# Altium PCB PCB.PcbDoc (part 1 of 4) (continued)
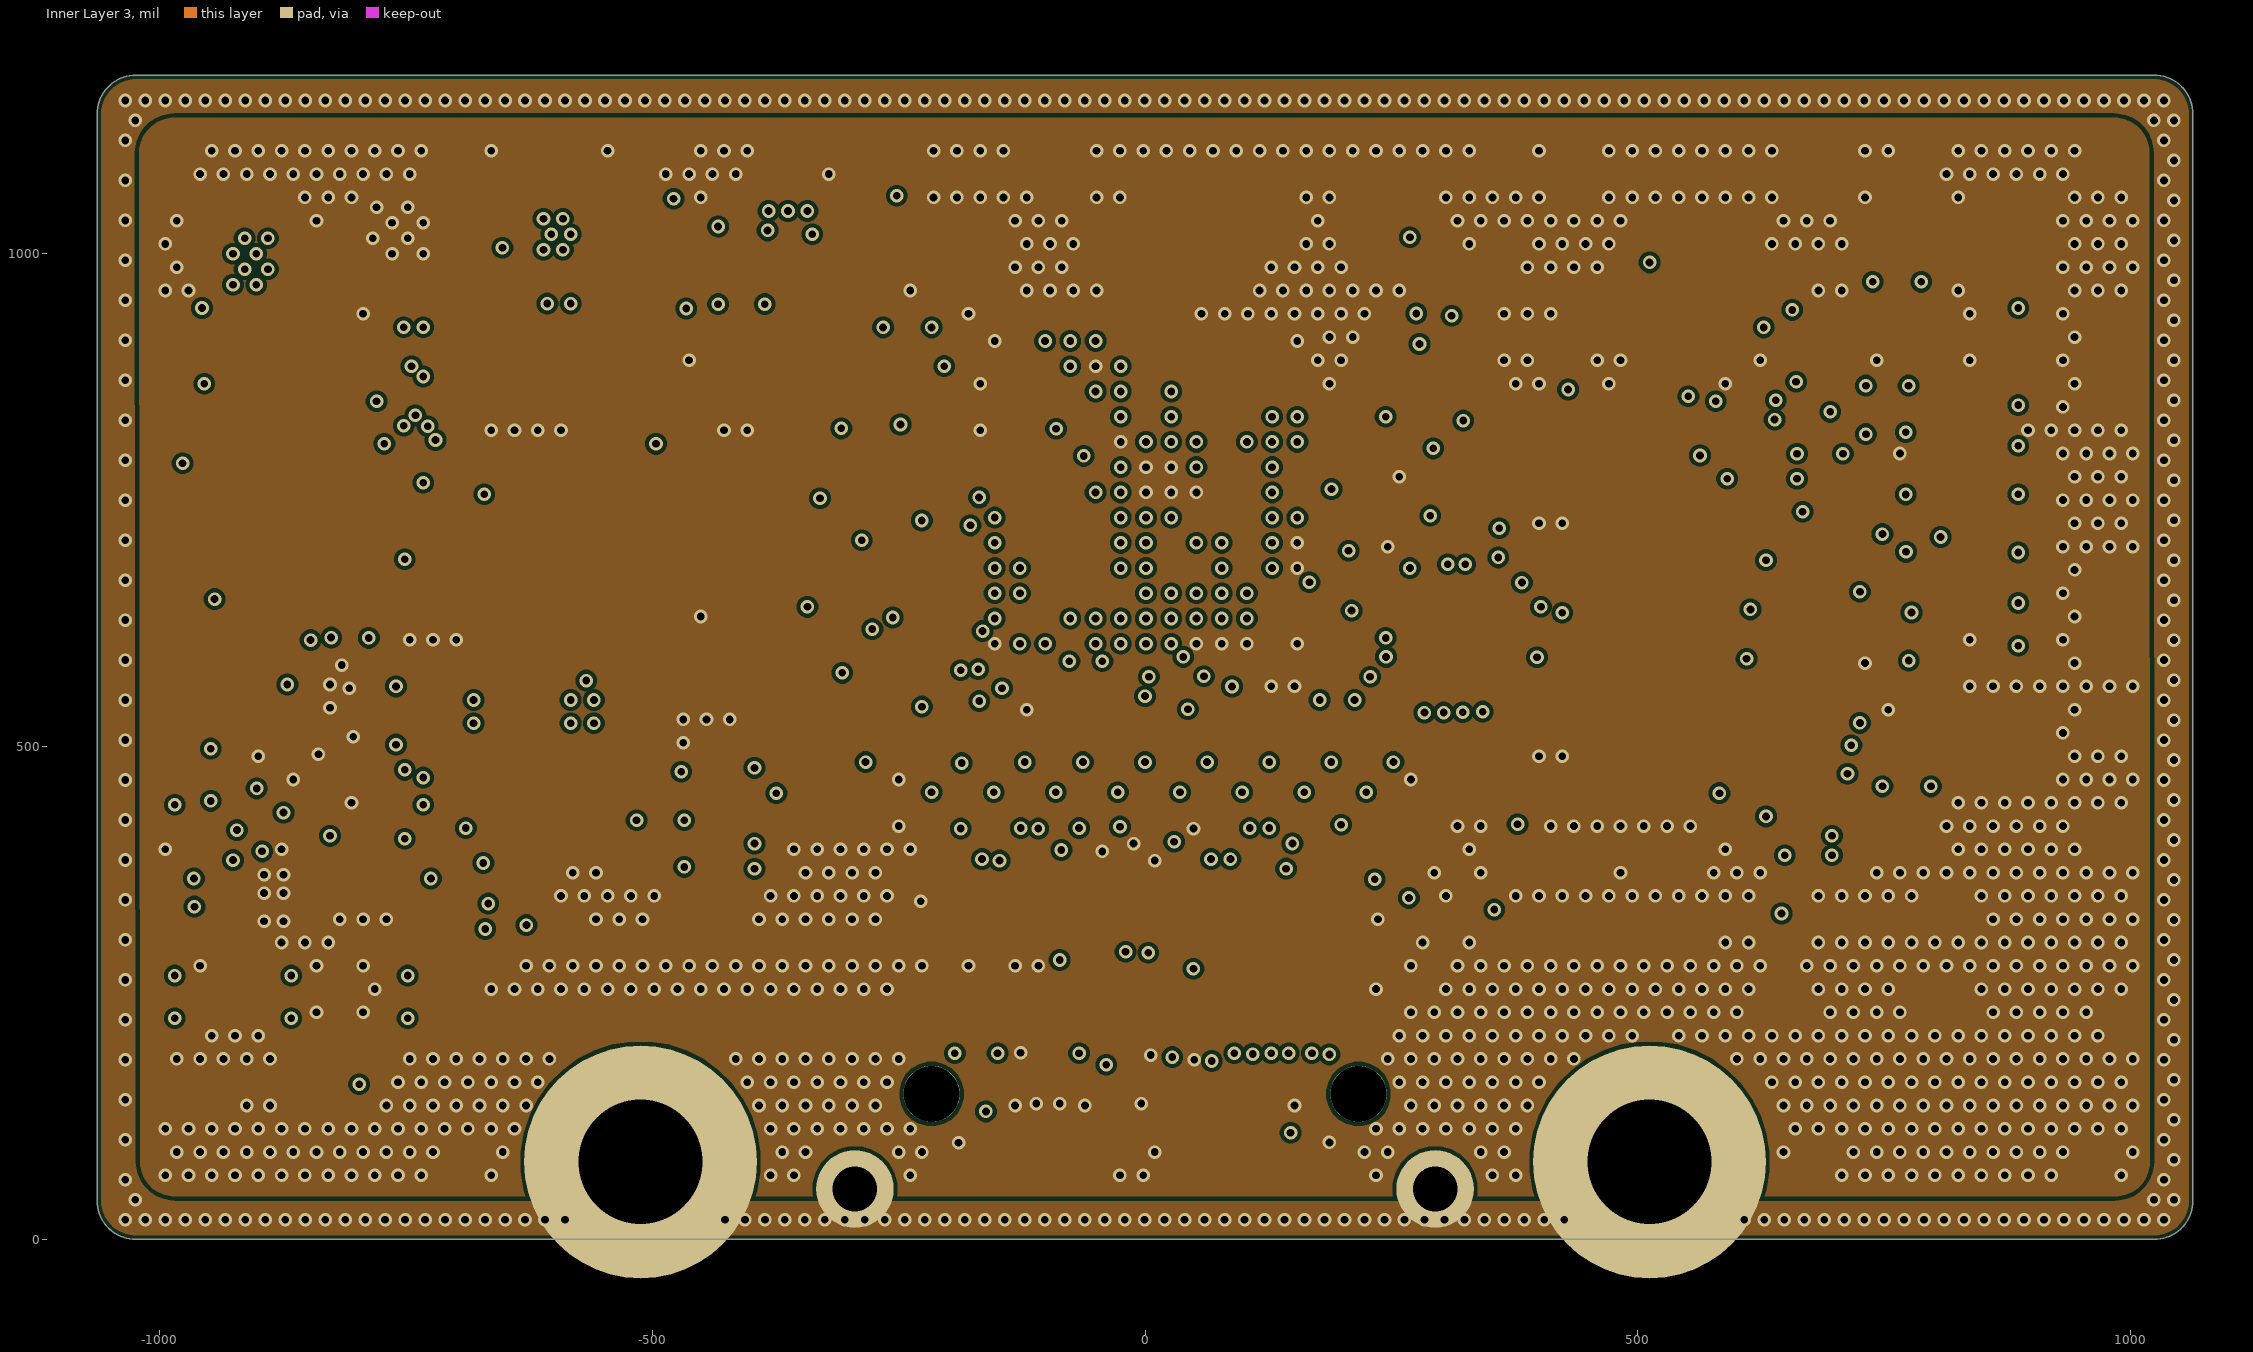
[diagram p4: Inner Layer 3]
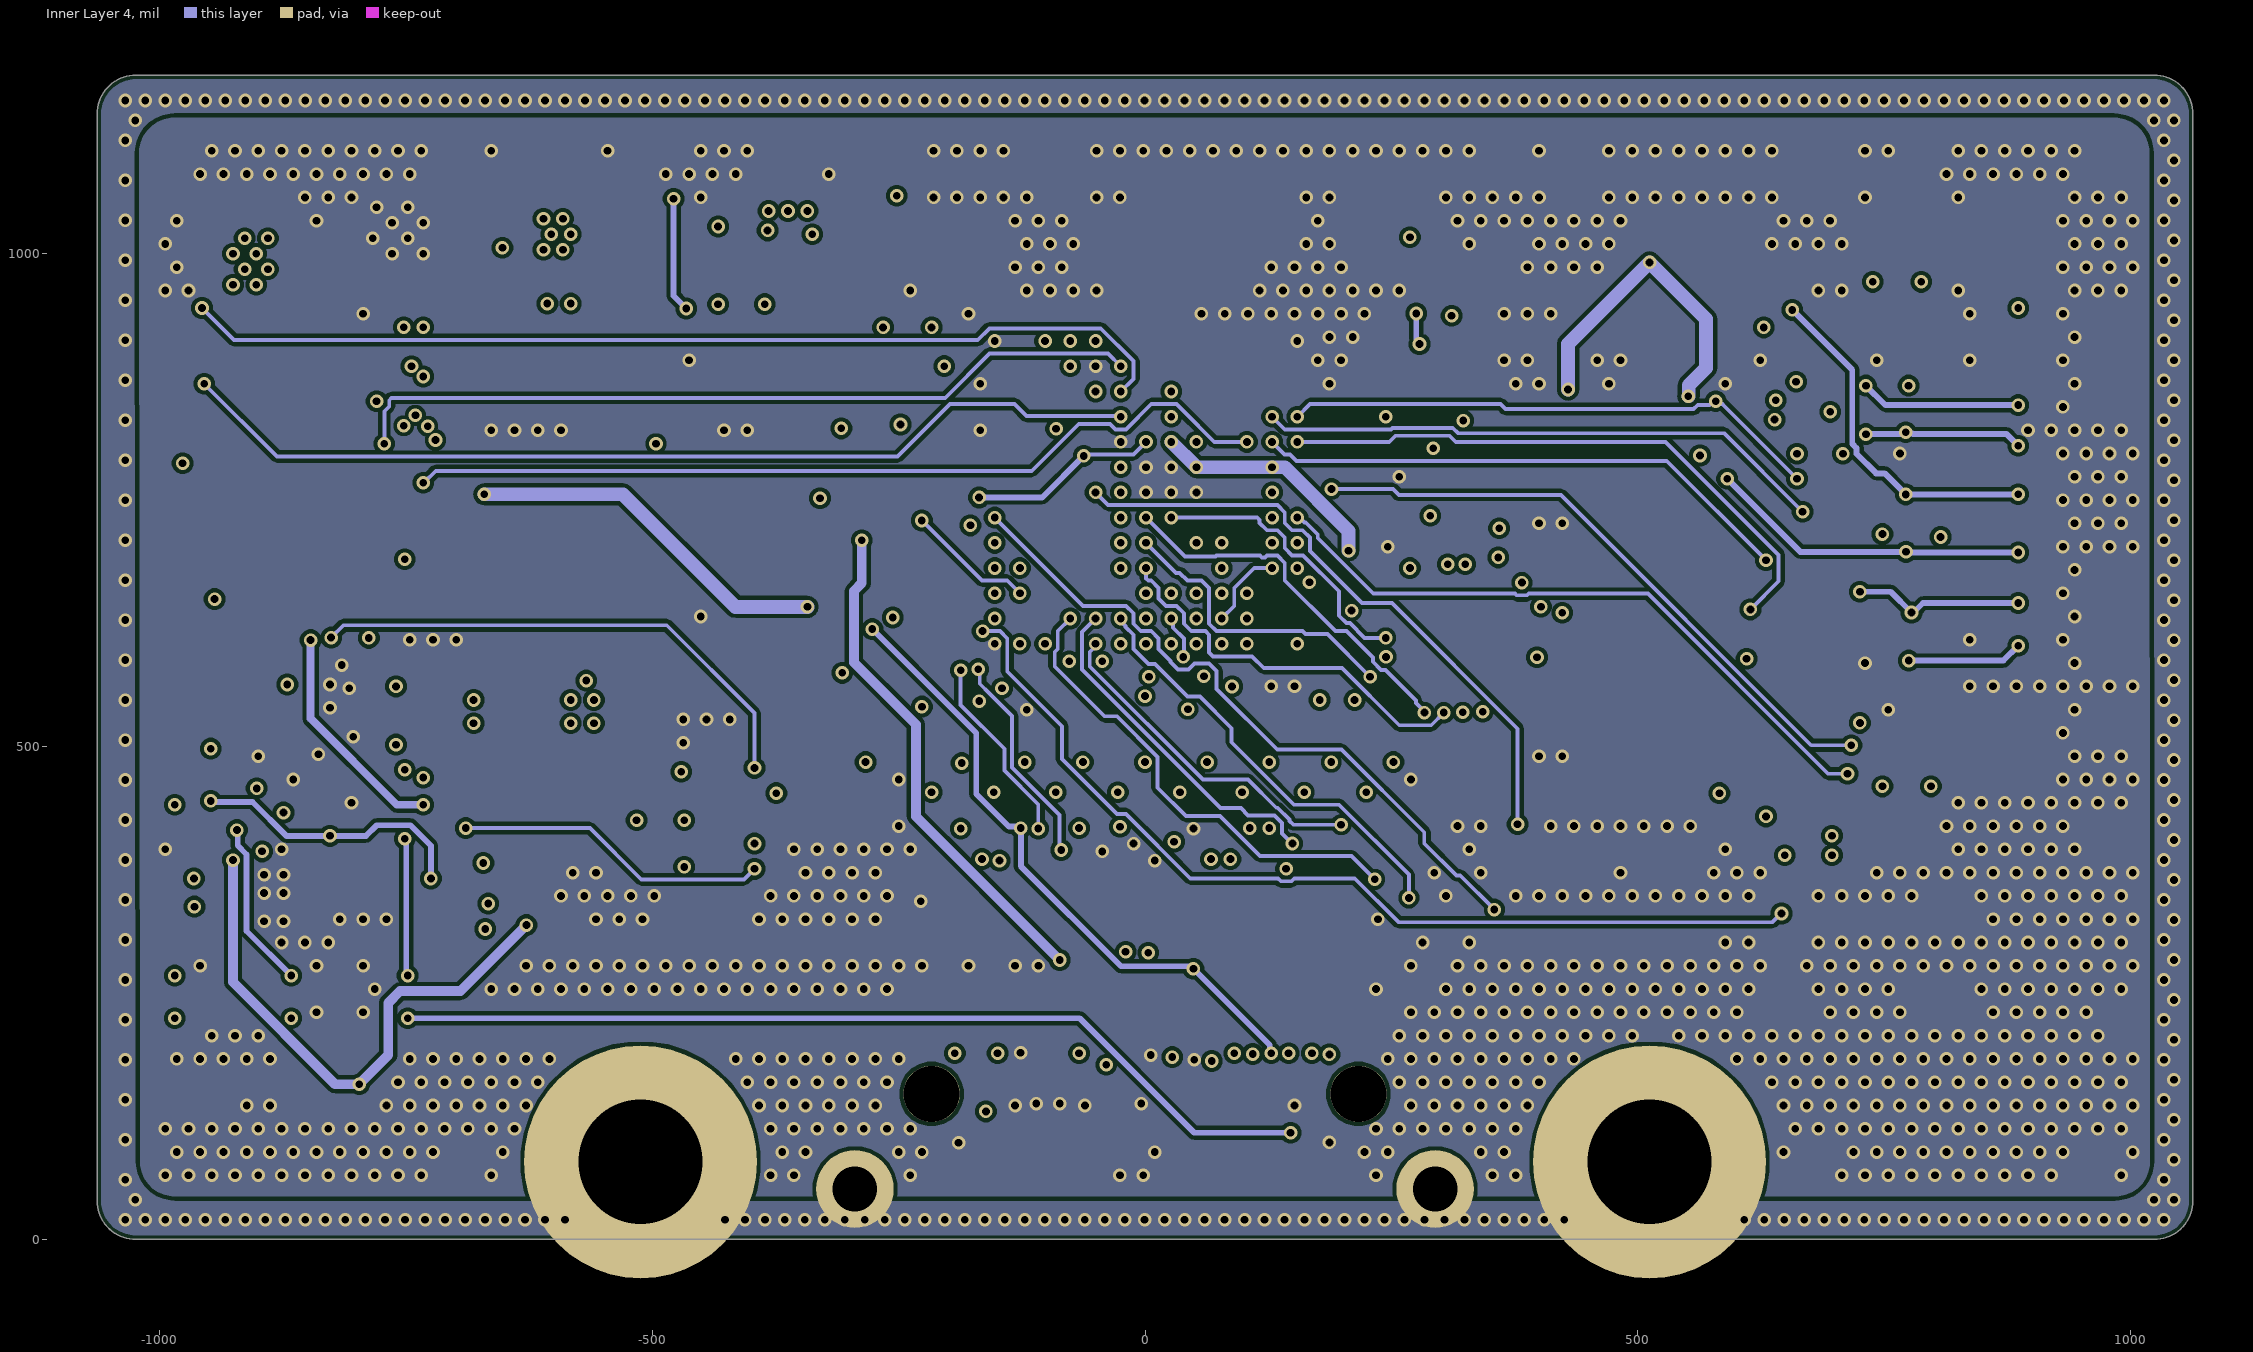
[diagram p5: Inner Layer 4]
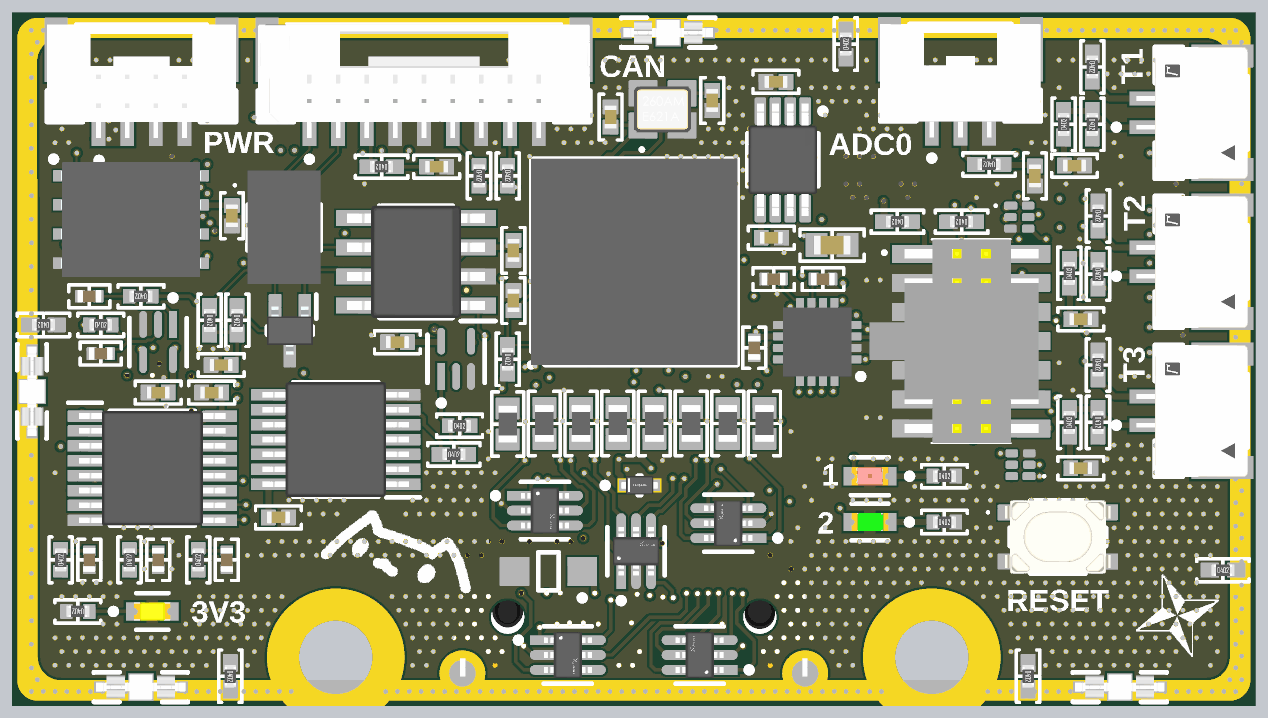
[diagram p9: 3D render of the assembled board from above, using the file's embedded part models]
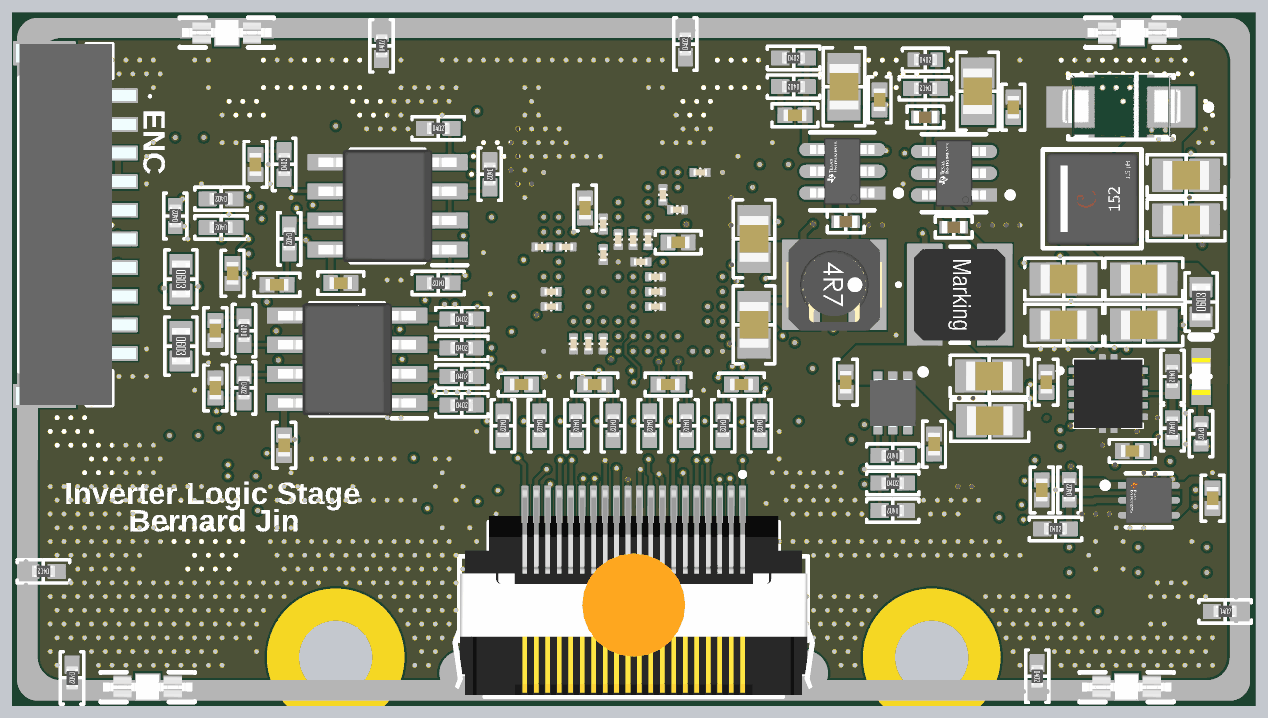
[diagram p10: 3D render of the assembled board from below, using the file's embedded part models]

## Layer stack, top to bottom
Top Solder: solder mask 0.6, Solder Resist, Dk 3.8
Top Layer: signal copper 1.378
Dielectric 1: prepreg 3.9134, NP-155F, Dk 4.1
Inner Layer 1: signal copper 0.5984
Dielectric 2: core 21.6535, NP-155F, Dk 4.41
Inner Layer 2: signal copper 0.5984
Dielectric 3: prepreg 4.5827, NP-155F, Dk 4.16
Inner Layer 3: signal copper 0.5984
Dielectric 4: core 21.6535, NP-155F, Dk 4.41
Inner Layer 4: signal copper 0.5984
Dielectric 5: prepreg 3.9134, NP-155F, Dk 4.1
Bottom Layer: signal copper 1.378
Bottom Solder: solder mask 0.6, Solder Resist, Dk 3.8

## Board outline
-1062.99,39.37 -1062.99,1141.73 cw(c-1023.62,1141.73) -1023.62,1181.1 1023.62,1181.1 cw(c1023.62,1141.73) 1062.99,1141.73 1062.99,39.37 cw(c1023.62,39.37) 1023.62,0 -1023.62,0 cw(c-1023.62,39.37)

## Design rules (kind name [scope] priority, off if disabled: settings)
AcuteAngle [All] p1: minimum=6.00000000000000E+0001 checktracksonly=FALSE
AssemblyTestpoint [All] p1: testpointundercomponent=TRUE minsize=40 maxsize=100 preferedsize=60 minholesize=0 maxholesize=40 preferedholesize=32 testpointgrid=1 usegrid=TRUE gridtolerance=0.01 allowsidetop=TRUE
BackDrilling [All] p1: maxstublength=15 usetopbackdrill=TRUE usebottombackdrill=TRUE holeoversize=1 holetolplus=0 holetolminus=0
BoardOutlineClearance BoardOutlineClearance_1 [(NOT (OnLayer('Bottom Overlay') OR OnLayer('Top Overlay'))) AND (NOT InNet('CHASSIS'))] p1: gap=39.37 ignorepadtopadclearanceinfootprint=FALSE except(19.68: Via-OutlineEdge)
BoardOutlineClearance [All] p2: gap=0 ignorepadtopadclearanceinfootprint=FALSE except(3.94: Via-OutlineEdge Via-CavityEdge Via-CutoutEdge Via-SplitBarrior Via-SplitContinuation Fill-OutlineEdge Poly-OutlineEdge)
Clearance "Stitching CHASSIS" [IsStitchingVia and InNet('CHASSIS') vs OnMechanical] p1: gap=5 ignorepadtopadclearanceinfootprint=FALSE
Clearance Manufacturable [All] p2: gap=3.94 ignorepadtopadclearanceinfootprint=FALSE
ComponentClearance [All] p1: gap=0 collisioncheckmode=3 verticalgap=0 showdistances=FALSE donotcheckwithout3dbody=TRUE checkcomponentboundary=TRUE
ComponentOrientations [All] p1: allowedrotations=32
DiffPairsRouting "Also CAN routing" [InDifferentialPair('CAN_S_3')] p1: maxlimit=9.06 minlimit=7.87 mostfreqgap=8.27 toplayer_minwidth=3.94 toplayer_maxwidth=4.72 toplayer_prefwidth=3.94 midlayer1_minwidth=3.94 midlayer1_maxwidth=4.72 midlayer1_prefwidth=3.94 midlayer2_minwidth=3.94 midlayer2_maxwidth=4.72 midlayer2_prefwidth=3.94 midlayer3_minwidth=3.94 midlayer3_maxwidth=4.72 midlayer3_prefwidth=3.94 midlayer4_minwidth=3.94 midlayer4_maxwidth=4.72 midlayer4_prefwidth=3.94 bottomlayer_minwidth=3.94 bottomlayer_maxwidth=4.72 bottomlayer_prefwidth=3.94 maxuncoupledlength=500
DiffPairsRouting "CAN routing" [InDifferentialPair('CAN')] p2: maxlimit=9.06 minlimit=7.87 mostfreqgap=8.27 toplayer_minwidth=3.94 toplayer_maxwidth=4.72 toplayer_prefwidth=3.94 midlayer1_minwidth=3.94 midlayer1_maxwidth=4.72 midlayer1_prefwidth=3.94 midlayer2_minwidth=3.94 midlayer2_maxwidth=4.72 midlayer2_prefwidth=3.94 midlayer3_minwidth=3.94 midlayer3_maxwidth=4.72 midlayer3_prefwidth=3.94 midlayer4_minwidth=3.94 midlayer4_maxwidth=4.72 midlayer4_prefwidth=3.94 bottomlayer_minwidth=3.94 bottomlayer_maxwidth=4.72 bottomlayer_prefwidth=3.94 maxuncoupledlength=500
DiffPairsRouting [All] p3: maxlimit=10 minlimit=10 mostfreqgap=10 toplayer_minwidth=15 toplayer_maxwidth=15 toplayer_prefwidth=15 midlayer1_minwidth=15 midlayer1_maxwidth=15 midlayer1_prefwidth=15 midlayer2_minwidth=15 midlayer2_maxwidth=15 midlayer2_prefwidth=15 midlayer3_minwidth=15 midlayer3_maxwidth=15 midlayer3_prefwidth=15 midlayer4_minwidth=15 midlayer4_maxwidth=15 midlayer4_prefwidth=15 bottomlayer_minwidth=15 bottomlayer_maxwidth=15 bottomlayer_prefwidth=15 maxuncoupledlength=500
FabricationTestpoint [All] p1: side=1 testpointundercomponent=FALSE minsize=40 maxsize=100 preferedsize=60 minholesize=0 maxholesize=40 preferedholesize=32 testpointgrid=1 allowsidetop=TRUE usegrid=TRUE gridtolerance=0.01
HoleSize [All] p1: absolutevalues=TRUE maxlimit=240 minlimit=3.94 maxpercent=80.000 minpercent=20.000
HoleToHoleClearance [All] p1: gap=3.94 allowstackedmicrovias=FALSE
Length [All] p1: maxlimit=10000 minlimit=0
MatchedLengths MatchedLengthsPair [All] p1: tolerance=1000 checknetsindiffpair=TRUE checkdiffpairvsdiffpair=FALSE checkxsignals=FALSE checkothers=FALSE usedelayunits=TRUE delaytolerance=30.000000
MatchedLengths MatchedLengthsGroup [All] p2 off: tolerance=1000 checknetsindiffpair=FALSE checkdiffpairvsdiffpair=TRUE checkxsignals=TRUE checkothers=TRUE usedelayunits=TRUE delaytolerance=50.000000
MaximumViaCount [NOT InNet('+3V3') AND NOT InNet('CHASSIS') AND NOT InNet('GND')] p1: limit=30
MinimumAnnularRing MinViaSize [All] p1: minimumring=2.95
MinimumAnnularRing [All] p2: minimumring=3.94
MinimumSolderMaskSliver [All] p1 off: minsoldermaskwidth=4
OvershootFalling [All] p1: maximum=300.0m
OvershootRising [All] p1: maximum=300.0m
ParallelSegment [All] p1: limit=1000 gap=10
PasteMaskExpansion [All] p1 off: expansion=1
PermittedLayers [All] p1: toplayerpermitted=TRUE bottomlayerpermitted=TRUE
PlaneClearance [All] p1: clearance=9.84
PlaneConnect [All] p1: planeconnectstyle=Direct reliefexpansion=20 reliefentries=4 reliefconductorwidth=15 reliefairgap=10
PolygonConnect [All] p1: connectstyle=Direct reliefconductorwidth=15 reliefentries=4 polygonreliefangle="90 Angle" airgapwidth=10
ReturnPath [All] p1: _gaplimit=0
RoutingCorners [All] p1: cornerstyle=45-Degree minsetback=100 maxsetback=500
RoutingVias [All] p1: holewidth=7.87 width=13.78 viastyle="Through Hole" minholewidth=5.91 minwidth=9.84 maxholewidth=240 maxwidth=450
SMDEntry [All] p1: side=TRUE corner=TRUE anyangle=TRUE
SMDNeckDown [All] p1 off: percent=50.000
SMDToCorner [All] p1 off: distance=100000
SMDToPlane [All] p1: distance=1000000
SignalStimulus [All] p1: kind=1 level=0 starttime=10.00n stoptime=60.00n periodtime=100.0n
SilkToSilkClearance [All] p1 off: silktosilkclearance=8
SilkToSolderMaskClearance [IsPad] p1: minsilkscreentomaskgap=1.97 clearancetoexposedcopper=FALSE
SolderMaskExpansion Via [isvia] p1: expansion=4 istentingtop=TRUE
SolderMaskExpansion [All] p2: expansion=0 istentingtop=FALSE
StubLength [All] p1: limit=500
SupplyNets "Schematic Supply Nets_5" [InNet('+3V3A')] p1: voltage=0.000
SupplyNets "Schematic Supply Nets_9" [InNet('+24V')] p2: voltage=0.000
SupplyNets "Schematic Supply Nets_8" [InNet('CHASSIS')] p3: voltage=0.000
SupplyNets "Schematic Supply Nets_7" [InNet('+3V3')] p4: voltage=0.000
SupplyNets "Schematic Supply Nets_4" [InNet('+1V2')] p5: voltage=0.000
SupplyNets "Schematic Supply Nets_3" [InNet('+5V')] p6: voltage=0.000
SupplyNets "Schematic Supply Nets_2" [InNet('+12V')] p7: voltage=0.000
SupplyNets "Schematic Supply Nets_1" [InNet('+3V3_JTAG')] p8: voltage=0.000
SupplyNets "Schematic Supply Nets" [InNet('GND')] p9: voltage=0.000
UnConnectedPin [All] p1 off:
UnRoutedNet [All] p1: checkbadconnections=TRUE
UndershootFalling [All] p1: maximum=300.0m
UndershootRising [All] p1: maximum=300.0m
ViasUnderSMD [All] p1: allowed=TRUE
Width [All] p1: maxlimit=39.37 minlimit=0.1 preferedwidth=7.87
16 further rules are at their usual default settings.

## Classes and differential pairs
component class Schematic: J3 J11 J12 J13 J14 J15 J16 J17 R66 R67 R68 R69 R70 R71 R72 R73 R74 R75 R77
component class Flash: C80 IC10
component class "Fault detection": C66 C67 C68 C69 C70 C71 C72 C74 C75 IC7 IC8 R56 R57 R58 R60 R61 R62 R63 R64 R65 U12 U13
component class EnDat: C57 C58 C59 C60 C61 C62 IC5 IC6 R30 R38 R39 R40 R41 R42 R43 R44 R45 R46 R47 R48 R49
net class Schematic_Nets: ADC0 ADC_CLK ADC_CS ADC_MISO ADC_MOSI CAN_N CAN_P CAN_RX CAN_TX CHASSIS CLK+ CLK- DAT+ DAT- ENC_CLK ENC_ENDAT ENC_MISO ENC_MOSI EXT_FAULT EXT_FAULT_1_1 EXT_FAULT_2_1 F\A\U\L\T\ FAULT_RST FLASH_CLK FLASH_CS FLASH_MISO FLASH_MOSI GND I2C_SCL I2C_SDA M_TEMP_1 OE P\G\ SDIO_CLK SDIO_CS SDIO_DET SDIO_MISO SDIO_MOSI TEMP1_1 TEMP2_1 TEMP3_1 U_A_IN U_B_IN U_EN U_HALL_N U_HALL_P U_LATCHED U_OC U_TEMP_1 V_A_IN V_B_IN V_HALL_N V_HALL_P V_LATCHED V_OC V_SENSE_N V_SENSE_P V_TEMP_1 W_A_IN W_B_IN W_HALL_N W_HALL_P W_LATCHED W_OC W_TEMP_1
component class Power: C26 C27 C28 C29 C30 C31 C32 C33 C34 C35 C36 C37 C39 C40 C41 C42 C77 C78 DS1 IC3 IC11 L1 L2 R13 R14 R15 R16 R17 R18 R19 R20 R21 R22 R26 R76 U9 U10 U11
component class "Power Connector": C44 C45 C46 C47 C48 C49 D8 J5 L3 R23
component class "Peripheral Connectors": C51 C82 C83 C84 J7 J8 J9 J10 R28 R29 R31 R32 R33 R34 R35 R36 R37 R59
component class "Motor Connector": C50 J6 R24 R25 R78
component class Microcontroller: C3 C4 C5 C6 C7 C8 C9 C10 C11 C12 C13 C14 C15 C16 C17 C18 C19 C20 C21 C22 C23 C24 C25 C43 C53 C54 C63 C64 C65 C73 D2 D3 D4 FB1 FB2 FB3 FB4 FB5 FB6 IC2 R6 R7 R8 R9 R10 R11 R50 R51 R52 R53 S1 U14 Y1
component class JTAG: J1 R3 R12 U1 U2
component class "External ADC": C55 C56 C79 IC4
component class Connector: C52 D5 D6 FB7 FB8 J2 R54 R55 U3 U4 U5 U6 U7
component class "CAN Connector": C81 J4 R27
component class "CAN bus": C1 C2 D1 FL1 IC1 R1 R2
differential pair CAN: +CAN_P -CAN_N
differential pair CAN_S_3: +CAN_S_3_P -CAN_S_3_N

## Components (designator, comment, footprint, x,y, rotation, side; value= is the part's Value field where it differs from the comment)
C1 "0.1 µF" "CAP 0402_1005" -206.69,777.56 r270 top
C2 "4700 pF" "CAP 0402_1005" -708.66,580.71 r0 top
C3 "0.1uF" "0µF 0201-Footprint-1" -12.2,757.87 r0 bottom
C4 "0.1uF" "0µF 0201-Footprint-1" -37.4,681.1 r180 bottom
C5 "2.2uF" "0µF 0201-Footprint-1" 157.48,783.46 r0 bottom
C6 "2.2uF" "0µF 0201-Footprint-1" 141.73,706.69 r0 bottom
C7 "0.1uF" "0µF 0201-Footprint-1" 0.98,796.26 r270 bottom
C8 "0.1uF" "0µF 0201-Footprint-1" 116.14,783.46 r180 bottom
C9 "2.2uF" "0µF 0201-Footprint-1" -74.94,847.44 r180 bottom
C10 "2.2uF" "0µF 0201-Footprint-1" 103.35,617.13 r270 bottom
C11 "0.1uF" "0µF 0201-Footprint-1" -37.4,706.69 r180 bottom
C12 "0.1uF" "0µF 0201-Footprint-1" -114.17,911.42 r180 bottom
C13 "0.1uF" "0µF 0201-Footprint-1" 52.17,822.83 r90 bottom
C14 "0.1uF" "0µF 0201-Footprint-1" -37.4,732.28 r180 bottom
C15 "10 µF" "CAP 0402_1005" 83.66,850.39 r90 bottom
C16 "0.1uF" "0µF 0201-Footprint-1" 26.57,796.26 r270 bottom
C17 "10 µF" "CAP 0402_1005" -76.38,791.34 r180 bottom
C18 "0.1uF" "0µF 0201-Footprint-1" -24.61,796.26 r90 bottom
C19 "10000 pF" "CAP 0402_1005" -185.04,547.24 r180 bottom
C20 "0.1uF" "0µF 0201-Footprint-1" 52.17,770.67 r270 bottom
C21 "0.1uF" "0µF 0201-Footprint-1" -50.2,873.03 r90 bottom
C22 "10µF" "CAP 0402_1005" 244.09,1066.93 r0 top
C23 "10000 pF" "CAP 0402_1005" 66.93,547.24 r0 bottom
C24 "1 µF" "CAP 0402_1005" 236.22,799.21 r180 top
C25 "10000 pF" "CAP 0402_1005" 192.91,547.24 r180 bottom
C26 "0.1 µF" "MURATA GCM155 0402_1005" -364.17,826.77 r180 bottom
C27 "22 µF" "CAP 0805_2012" -206.69,649.61 r90 bottom
C28 "22 µF" "CAP 0805_2012" -206.69,797.24 r270 bottom
C29 "10 µF" "CAP 0805_2012" -361.16,1058.59 r270 bottom
C30 "0.1 µF" "CAP 0402_1005" -422.18,1036.12 r270 bottom
C31 "100 pF" "CAP 0402_1005" -276.91,1009.56 r0 bottom
C32 "0.1 µF" "MURATA GCM155 0402_1005" -549.53,817.61 r180 bottom
C33 "22 µF" "CAP 0805_2012" -610.23,561.71 r0 bottom
C34 "22 µF" "CAP 0805_2012" -611.34,484.94 r0 bottom
C35 "10 µF" "CAP 0805_2012" -590.67,1050.88 r270 bottom
C36 "0.1 µF" "CAP 0402_1005" -651.88,1023.32 r270 bottom
C37 "75 pF" "MURATA GCM155 0402_1005" -500.92,1006.59 r0 bottom
C39 "10 µF" "CAP 0402_1005" -708.66,551.18 r270 bottom
C40 "10 µF" "CAP 0402_1005" -856.3,433.07 r180 bottom
C41 "2.2 µF" "CAP 0402_1005" -994.09,351.97 r90 bottom
C42 "10 µF" "CAP 0402_1005" -700.79,366.14 r90 bottom
C43 "47µF" "CAP 0603_1608" 340.55,786.67 r180 top
C44 "2.2 µF" "CAP 0805_2012" -875.98,728.35 r0 bottom
C45 "2.2 µF" "CAP 0805_2012" -875.98,649.61 r0 bottom
C46 "2.2 µF" "CAP 0805_2012" -738.19,728.35 r180 bottom
C47 "2.2 µF" "CAP 0805_2012" -738.19,649.61 r180 bottom
C48 "2.2 µF" "CAP 0805_2012" -948.53,829.72 r0 bottom
C49 "2.2 µF" "CAP 0805_2012" -948.53,906.5 r0 bottom
C50 "330 pF" "CAP 0402_1005" 688.98,738.19 r90 bottom
C51 "1000 pF" "CAP 0402_1005" 688.98,905.51 r90 top
C52 "10000 pF" "CAP 0402_1005" -59.06,547.24 r180 bottom
C53 "4.7uF" "0µF 0201-Footprint-1" 141.73,681.1 r180 bottom
C54 "4.7uF" "0µF 0201-Footprint-1" 52.17,617.13 r90 bottom
C55 "1 µF" "MURATA GRM155 0402_1005" 324.8,728.35 r180 top
C56 "1 µF" "MURATA GRM155 0402_1005" 240.16,728.35 r0 top
C57 "100 pF" "CAP 0402_1005" 612.6,718.5 r180 bottom
C58 "100nF" "CAP 0402_1005" 503.04,721.46 r0 bottom value="1 µF"
C59 "100 pF" "CAP 0402_1005" 649.61,925.2 r270 bottom
C60 "100 pF" "CAP 0402_1005" 718.5,541.34 r270 bottom
C61 "100nF" "CAP 0402_1005" 600.39,442.91 r90 bottom value="1 µF"
C62 "100 pF" "CAP 0402_1005" 718.5,639.76 r270 bottom
C63 "4.7uF" "0µF 0201-Footprint-1" 77.76,617.13 r90 bottom
C64 "0.1 µF" "CAP 0402_1005" -206.69,691.34 r270 top
C65 "36 pF" "CAP 0402_1005" -39.88,1006.51 r270 top
C66 "0.1 µF" "CAP 0402_1005" -610.24,318.9 r180 top
C67 "0.1 µF" "CAP 0402_1005" -816.76,533.46 r180 top
C68 "1 µF" "MURATA GRM155 0402_1005" -816.93,246.06 r90 top
C69 "0.1 µF" "CAP 0402_1005" -724.93,533.46 r0 top
C70 "1 µF" "MURATA GRM155 0402_1005" -935.04,246.06 r90 top
C71 "1 µF" "MURATA GRM155 0402_1005" -698.82,246.06 r90 top
C72 "0.1 µF" "CAP 0402_1005" -405.91,620.08 r180 top
C73 "36 pF" "CAP 0402_1005" 134.65,1035.04 r90 top
C74 "1 µF" "MURATA GRM155 0402_1005" -935.04,698.82 r0 top
C75 "1 µF" "MURATA GRM155 0402_1005" -915.35,600.39 r0 top
C77 "10 µF" "CAP 0402_1005" -364.17,551.18 r90 bottom
C78 "10 µF" "CAP 0402_1005" -515.75,444.88 r270 bottom
C79 "1 µF" "MURATA GRM155 0402_1005" 206.69,610.24 r90 top
C80 "0.1 µF" "CAP 0402_1005" -690.08,837.08 r270 top
C81 "1000 pF" "CAP 0402_1005" -338.58,921.26 r180 top
C82 "1 µF" "CAP 0402_1005" 756.86,923.23 r180 top
C83 "1 µF" "CAP 0402_1005" 767.72,659.45 r180 top
C84 "1 µF" "CAP 0402_1005" 767.72,403.54 r180 top
D1 "ESDCAN03-2BWY" SOT65P210X110-3N -590.55,639.76 r270 top
D2 "LTST-C191KSKT" FP-LTST-C191KSKT-MFG -826.77,157.48 r0 top
D3 "LTST-C191KGKT" FP-LTST-C191KGKT-MFG 405.51,311.02 r180 top
D4 "LTST-C190KRKT" FP-LTST-C190KRKT-MFG 405.51,389.76 r180 top
D5 "SMF12AT1G" ONSC-SOD-123FL-2-498_V -146.65,226.38 r180 top
D6 "PESD3V3L1UB,115" FP-SOD523-MFG 9.84,374.02 r0 top
D8 "SMAJ24A" FP-SMAJ-MFG -836.61,1023.62 r0 bottom
DS1 "APT1608SGC" KING-APT1608SGC_V -974.41,561.02 r90 bottom
FB1 "1.6 kOhms @ 100 MHz" "FER 0603_1608" -216.54,479.33 r90 top
FB2 "1.6 kOhms @ 100 MHz" "FER 0603_1608" -153.54,480.31 r90 top
FB3 "1.6 kOhms @ 100 MHz" "FER 0603_1608" 98.43,480.31 r90 top
FB4 "1.6 kOhms @ 100 MHz" "FER 0603_1608" 35.43,480.31 r90 top
FB5 "1.6 kOhms @ 100 MHz" "FER 0603_1608" 161.42,480.31 r90 top
FB6 "1.6 kOhms @ 100 MHz" "FER 0603_1608" 224.41,480.31 r90 top
FB7 "1.6 kOhms @ 100 MHz" "FER 0603_1608" -90.55,480.31 r90 top
FB8 "1.6 kOhms @ 100 MHz" "FER 0603_1608" -27.56,480.31 r90 top
FL1 "1812CAN-513NRC" 1812CAN513NRC -600.39,816.93 r270 top
IC1 "TCAN332DR" SOIC127P600X175-8N -374.02,757.87 r180 top
IC2 "F28P650DK9NMRR" BGA169C65P13X13_900X900X100 0.98,757.87 r90 top
IC3 "TPS74801DRCR" TPS74801DRCR -814.96,531.5 r180 bottom
IC4 "ADS7028IRTER" QFN50P300X300X80-17N-D 314.96,620.08 r180 top
IC5 "SN65HVD78DR" SOIC127P600X175-8N 422.8,853.94 r0 bottom